# KiCad board panel.kicad_pcb (continued)
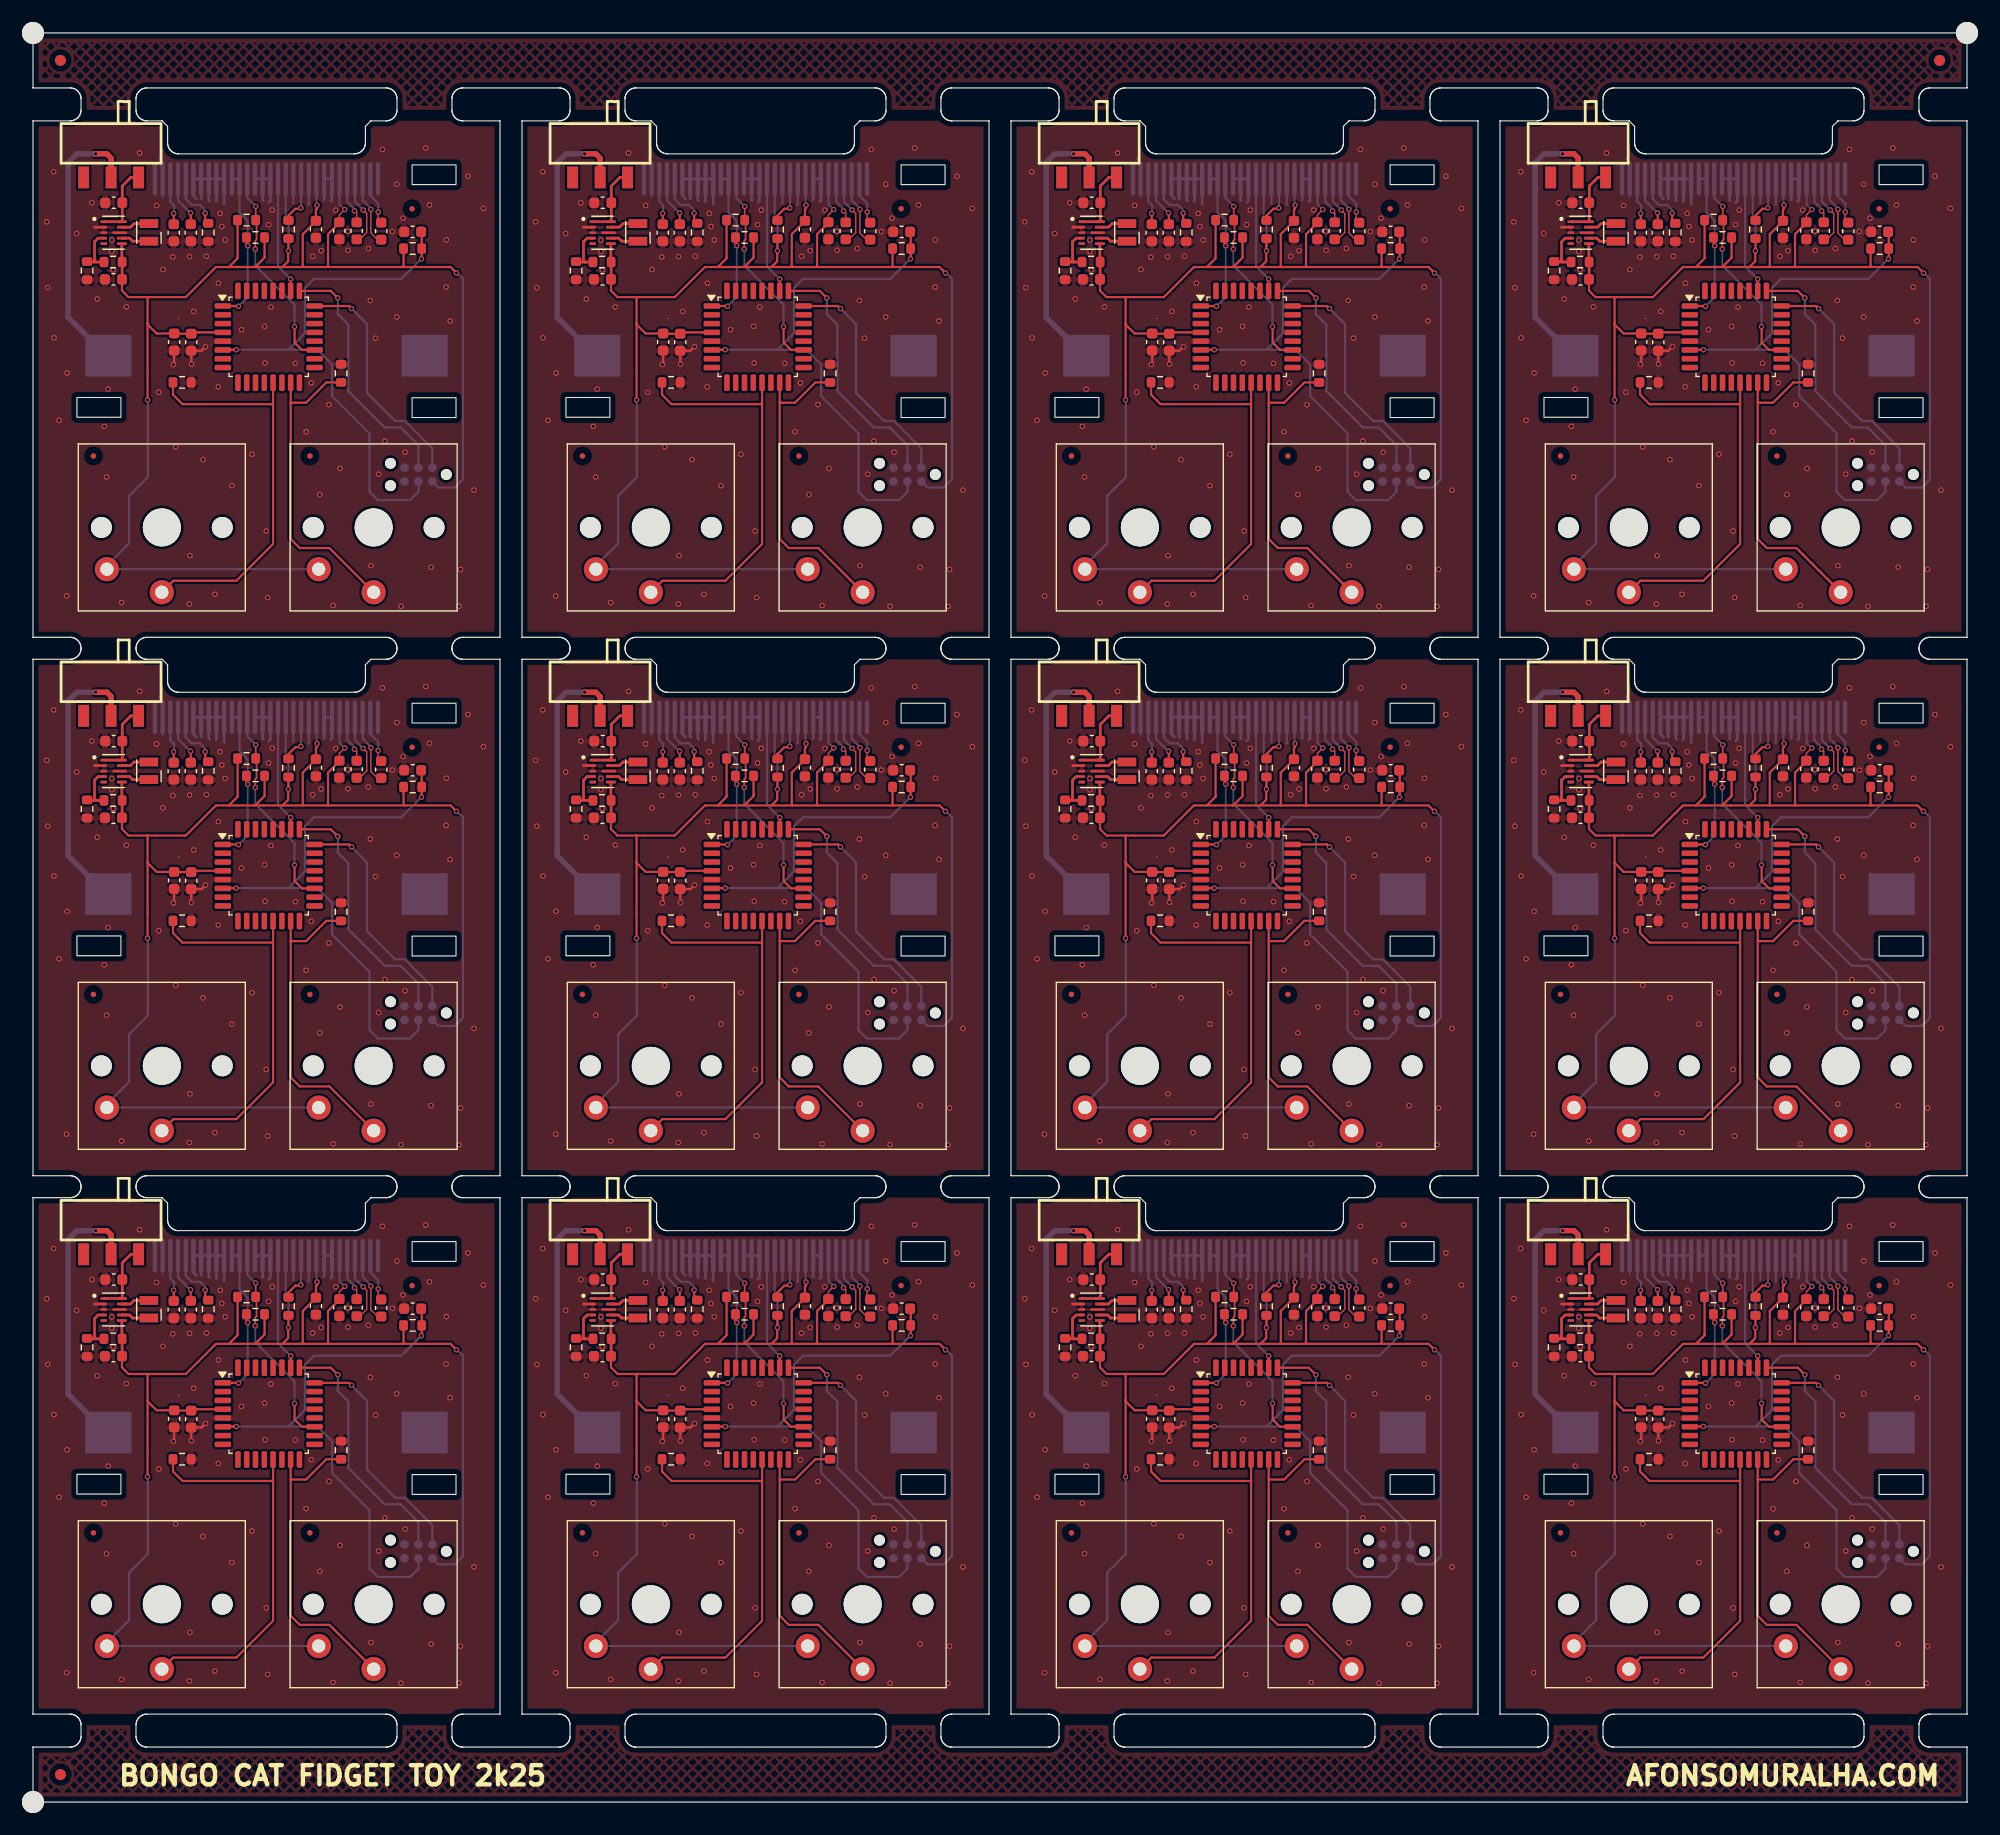
[diagram p0: board, top side]
## Routing (per net, layer and track width the routed paths; a pad name or vN(x,y) marks a point on that pad's centre or on a via; arc(x,y) is an arc through that point) (continued)
Board_2-/SWCLK: length 23.1
  Top w0.2: U1#7.25 116.1,137.53 v1(116.74,136.89)
  Bottom w0.2: J4#11.4 124.07,123.49 122.46,125.1 121.01,125.1 117.7,128.41 117.7,134.45 116.74,135.41 v1(116.74,136.89)
Board_2-/SWDIO: length 21.5
  Top w0.127: 114.48,136.17 114.47,136.16
  Top w0.2: U1#7.24 117.76,136.15 v1(117.99,135.92)
  Bottom w0.2: J4#11.2 125.34,123.19 122.84,125.69 121.96,125.69 119.4,128.25 119.4,134.51 v1(117.99,135.92)
Board_2-/UART_TX: length 0.1
  Top w0.127: 109.25,137.71 109.26,137.72 109.26,137.81
Board_2-GND: length 36.7
  Top w0.127: 102.25,135.02 102.28,135.02
  Top w0.2: v1(104.7,132.45) 104.33,132.08 C3#10.2 103.4,130.9 v1(103.43,130.88) ; v1(101.78,130.83) 101.85,130.9 C4#4.2
  Top w0.25: 94.6,143.33 U101#8.2 ; 95.5,138.39 95.58,138.31
  Bottom w0.127: 100.45,149.6 100.8,149.25 100.8,146 ; 117.51,141.22 117.6,141.31
  Bottom w0.2: J1#3.10 114.1,145.38 114.07,145.35 ; 112.68,145.5 112.7,145.53 J1#3.12
  Bottom w0.25: J1#3.17 J1#3.16 ; J1#3.16 J1#3.15 110.6,145.73 110.45,145.58 ; J1#3.16 109.9,145.8 109.95,145.75 ; J1#3.24 J1#3.25 103.6,146.2 103.88,145.93 ; J1#3.24 J1#3.23 ; J1#3.24 104.3,145.95 104.35,145.9 ; J1#3.23 J1#3.22 ; J1#3.23 105,145.8 105.07,145.73 ; J1#3.22 105.7,145.73 105.65,145.68 ; J1#3.22 J1#3.21 106.4,145.43 ; 116.1,145.68 116.2,145.78 J1#3.7 J1#3.8 115.5,145.83 115.47,145.8
  vias: v1(90.25,143.81) v1(90.35,137.82) v1(90.88,148.38) v1(90.92,133.26) v1(91.38,125.74) v1(92.11,130.06) v1(92.06,109.78) v1(92.97,142.75) v1(94.35,145.55) v1(94.85,136.8) v1(95.49,125.2) v1(95.7,120.6) v1(95.85,128.58) v1(96.18,142.15) v1(96.18,141.13) v1(96.3,139.43) v1(97.07,109.16) v1(97.5,136.08) v1(98.7,150.08) v1(100.25,145.3) v1(100.45,128.3) v1(100.82,139.48) v1(101.72,140.6) v1(101.99,123.33) v1(103.23,109.02) v1(103.25,140.65) v1(103.29,113.44) v1(103.62,135.65) v1(104.47,122.18) v1(104.78,140.68) v1(105.56,109.92) v1(105.88,138.23) v1(105.86,128.81) v1(106.04,144.58) v1(106.19,143.38) v1(106.49,142.16) v1(107.1,119.8) v1(107.97,134) v1(108.92,122.66) v1(110.07,134.3) v1(110.12,130.98) v1(110.22,115.67) v1(110.35,109.62) v1(110.44,143.56) v1(110.65,136.05) v1(110.77,144.89) v1(112.89,130.94) v1(113.85,124.7) v1(114.32,129.15) v1(114.45,140.68) v1(115.1,119) v1(115.22,141.19) v1(115.93,127.18) v1(116.32,108.89) v1(116.55,144.88) v1(116.94,121.36) v1(117.65,142.95) v1(117.68,141.22) v1(119.52,141.39) v1(119.7,136.65) v1(119.75,112.52) v1(120.18,133.23) v1(120.46,120.85) v1(120.8,150.4) v1(121.02,123.86) v1(121.7,142.93) v1(122.11,147.24) v1(122.1,135.16) v1(122.49,108.82) v1(122.68,144.15) v1(122.87,122.84) v1(124.74,150.52) v1(125.08,145.35) v1(125.23,112.38) v1(126.62,142.18) v1(126.6,137.88) v1(126.95,134.79) v1(127.77,108.82) v1(127.91,112.18) v1(128.58,147.97) v1(129.12,119.4) v1(129.99,145.04)
Board_2-Net-(BT1-+): length 25.3
  Top w0.5: SW5#8.2 96.11,149.62 95.72,150 v1(94.7,150)
  Bottom w0.5: BT1#5.1 95.69,131.63 92.2,135.12 92.2,149.2 93,150 v1(94.7,150)
Board_2-Net-(J1-Pin_2): length 4.3
  Top w0.127: 120.4,143.73 120.4,144.68 v1(120.42,144.7)
  Bottom w0.2: J1#3.2 119.7,146.2 120.42,145.48 v1(120.42,144.7)
Board_2-Net-(J1-Pin_3): length 6.4
  Top w0.127: C9#10.1 120.35,142.19 119.75,142.79 v1(119.75,144.95)
  Bottom w0.2: J1#3.3 119,145.79 119.75,145.04 v1(119.75,144.95)
Board_2-Net-(J1-Pin_4): length 6.5
  Top w0.127: v1(119.05,144.89) 119.37,144.57 119.37,142.84 118.75,142.22 C8#7.2
  Bottom w0.2: v1(119.05,144.89) 119.05,144.9 118.3,145.65 J1#3.4
Board_2-Net-(J1-Pin_5): length 4.3
  Top w0.127: v1(118.26,144.81) 118.46,144.61 C8#7.1
  Bottom w0.2: J1#3.5 117.6,145.65 118.26,144.99 v1(118.26,144.81)
Board_2-Net-(J1-Pin_26): length 5
  Top w0.15: 104.67,143.9 104.65,143.88
  Top w0.2: v1(104.67,144.6) 104.67,143.9
  Bottom w0.2: J1#3.26 102.9,145.9 103.45,145.35 104.2,145.35 104.67,144.88 v1(104.67,144.6)
Board_2-Net-(J1-Pin_27): length 4.6
  Top w0.15: 103.36,144.61 v1(103.34,144.63)
  Top w0.2: C12#6.2 103.36,144.61
  Bottom w0.2: J1#3.27 102.2,145.75 103.32,144.63 v1(103.34,144.63)
Board_2-Net-(J1-Pin_28): length 4.3
  Top w0.15: 101.81,144.57 v1(101.8,144.58)
  Top w0.2: C13#8.2 101.81,144.57
  Bottom w0.2: v1(101.8,144.58) 101.85,144.63 101.85,145.3 101.5,145.65 J1#3.28
Board_2-Net-(SW5-A): length 6.7
  Top w0.25: SW5#8.3 97.9,147.85 97.12,147.08 C1.1 97.12,143.86 U101#8.10 U101#8.1
Board_2-Net-(U101-FB): length 4.4
  Top w0.25: R6#11.2 94.72,140.16 ; 94.72,140.16 94.6,140.28 94.6,142 94.93,142.33 U101#8.4 ; 94.72,140.16 93.97,140.16 R4#11.1
Board_2-Net-(U101-L1): length 2.6
  Top w0.25: U101#8.9 97.88,143.33 98.2,143.65 L102#7.1
Board_2-Net-(U101-L2): length 2.6
  Top w0.25: L102#7.2 98.07,142.05 98.07,142.05 97.8,142.33 U101#8.7
Board_2-unconnected-(U1-PC14-Pad2): length 0
  Top w0.127: 106.25,135.33 106.28,135.35
Board_3-3V3: length 148.5
  Top w0.127: 167.54,141.38 167.25,141.09 ; v1(161.87,144.93) 161.38,144.44 C10#12.2 161.38,143.54
  Top w0.2: 158.1,139.7 158.05,139.75 158.05,142.69 159.25,143.89 C11#7.2 159.25,144.92 159.35,145.02 v1(159.35,145.33) ; 158.1,139.7 160.4,139.7 ; 158.1,139.7 156.2,139.7 ; 167.22,141.38 167.22,139.73 167.25,139.7 ; v1(172.04,139.16) 171.5,139.7 167.25,139.7 ; 167.25,139.7 160.4,139.7 ; 143.93,134.58 v1(143.93,127.6) ; 143.93,134.58 143.93,134.48 144.75,133.65 C4#6.1 146.37,133.63 C3#7.1 148.02,133.75 150.78,133.75 ; 143.93,134.58 143.93,136.96 ; 160.4,139.7 160.35,139.75 160.35,142.69 161.29,143.63 161.38,143.54 ; 143.93,136.96 147.41,136.96 150.15,139.7 151.32,139.7 ; 143.93,136.96 142.19,136.96 141.6,137.55 C2#7.1 ; 151.32,139.7 152.12,140.49 R13#11.2 ; 151.32,139.7 153.72,139.7 ; R101#6.2 v1(156.75,141.18) 156.72,141.15 156.72,140.23 156.2,139.7 ; 156.2,139.7 153.72,139.7 ; 153.72,139.7 154.57,140.55 R12#5.2
  Top w0.25: 141.57,138.58 C2#7.1 141.62,138.59 141.62,140.16 141.59,140.18 U101#2.6
  Bottom w0.2: J1#8.13 156.5,144.2 156.75,143.95 v1(156.75,141.18) ; J1#8.9 159.3,145.38 v1(159.35,145.33) ; v1(143.93,127.6) 143.95,127.58 143.95,120.58 142.25,118.88 142.25,114.55 140.22,112.53 SW1#10.2 SW2#8.2 ; v1(161.87,144.93) 161.4,145.4 J1#8.6 ; J4#8.1 170.4,119.63 171.88,119.63 172.62,120.38 172.62,138.64 172.08,139.18 172.08,139.21
Board_3-/BS1: length 4.5
  Top w0.2: R101#6.1 156.75,144.38 157.38,145 157.8,145 v1(157.88,145.08)
  Bottom w0.2: J1#8.11 157.9,145.45 157.88,145.43 v1(157.88,145.08)
Board_3-/OLED_RST: length 10.7
  Top w0.2: v1(156.95,138.6) U1#9.26
  Bottom w0.2: J1#8.14 155.8,139.75 v1(156.95,138.6)
Board_3-/RST: length 50
  Top w0.127: 168.62,141.32 168.56,141.38
  Top w0.2: 150.78,132.15 150.8,132.18 v1(152,132.18) ; v1(168.85,140.45) 168.88,140.48 R8#7.2 168.88,142.85 168.82,142.9
  Bottom w0.2: 156.75,132.18 159.38,132.18 160.73,130.82 160.73,127.95 164.12,124.56 164.12,119.25 164.88,118.49 167.81,118.49 168.57,119.25 J4#8.3 ; 156.75,132.18 v1(152,132.18) ; 156.75,132.18 158.25,133.68 158.25,137.8 159.07,138.63 167.03,138.63 v1(168.85,140.45)
Board_3-/SCL: length 19.1
  Top w0.127: v1(153.73,141.33) 153.65,141.41
  Top w0.152: v1(153.73,141.33) 153.73,142.09 153.84,142.21 153.84,143.98 153.77,144.06 v1(153.77,145.22)
  Top w0.2: U1#9.19 157.98,132.15 157.31,132.82 157.31,134.31
  Bottom w0.15: 153.7,141.45 153.72,141.43
  Bottom w0.2: v1(153.73,141.33) 153.73,139.85 157.3,136.28 v1(157.3,134.28) ; J1#8.18 153,145.99 v1(153.77,145.22)
Board_3-/SDA: length 15.6
  Top w0.127: 150.78,136.15 150.71,136.09 ; 153.05,142.56 153.14,142.65
  Top w0.152: v1(153.04,141.64) 152.93,141.76 R12#5.1
  Top w0.2: 150.78,136.15 152.23,136.15 152.31,136.07
  Bottom w0.127: 153.02,141.63 153,141.65
  Bottom w0.2: J1#8.19 152.3,144.65 153.04,143.91 v1(153.04,141.64) 153.04,136.97 v1(152.2,136.13)
  Bottom w0.25: J1#8.20 J1#8.19
Board_3-/SW1: length 37.3
  Top w0.127: 146.53,129.17 146.56,129.2
  Top w0.2: 155.35,127.25 155.35,114.49 152.01,111.15 146.28,111.15 SW1#10.1 ; 155.35,127.25 U1#9.13 ; 155.35,127.25 155.32,127.22 147.1,127.22 146.24,128.08 R1#12.1
Board_3-/SW2: length 29.1
  Top w0.2: SW2#8.1 160.47,114.13 157.78,114.13 156.95,114.95 156.95,127.35 ; 156.95,127.35 158.35,127.35 160.19,129.2 R2#5.1 ; 156.95,127.35 U1#9.15
Board_3-/SWCLK: length 23.1
  Top w0.2: U1#9.25 160.6,137.53 v1(161.24,136.89)
  Bottom w0.2: J4#8.4 168.57,123.49 166.96,125.1 165.51,125.1 162.2,128.41 162.2,134.45 161.24,135.41 v1(161.24,136.89)
Board_3-/SWDIO: length 21.5
  Top w0.127: 158.98,136.17 158.97,136.16
  Top w0.2: v1(162.49,135.92) 162.26,136.15 U1#9.24
  Bottom w0.2: J4#8.2 169.84,123.19 167.34,125.69 166.46,125.69 163.9,128.25 163.9,134.51 v1(162.49,135.92)
Board_3-/UART_TX: length 0.1
  Top w0.127: 153.76,137.81 153.76,137.72 153.75,137.71
Board_3-GND: length 36.7
  Top w0.127: 146.75,135.02 146.78,135.02
  Top w0.2: v1(149.2,132.45) 148.83,132.08 C3#7.2 147.9,130.9 v1(147.93,130.88) ; C4#6.2 146.35,130.9 v1(146.28,130.83)
  Top w0.25: 140,138.39 140.08,138.31 ; 139.1,143.33 U101#2.2
  Bottom w0.127: 162.01,141.22 162.1,141.31 ; 144.95,149.6 145.3,149.25 145.3,146
  Bottom w0.2: J1#8.12 157.2,145.53 157.18,145.5 ; J1#8.10 158.6,145.38 158.57,145.35
  Bottom w0.25: J1#8.24 J1#8.23 ; J1#8.24 148.8,145.95 148.85,145.9 ; J1#8.24 J1#8.25 148.1,146.2 148.38,145.93 ; J1#8.23 J1#8.22 ; J1#8.23 149.5,145.8 149.57,145.73 ; 159.97,145.8 160,145.83 J1#8.8 J1#8.7 160.7,145.78 160.6,145.68 ; J1#8.16 154.4,145.8 154.45,145.75 ; J1#8.16 J1#8.15 155.1,145.73 154.95,145.58 ; J1#8.16 J1#8.17 ; 150.9,145.43 J1#8.21 J1#8.22 ; J1#8.22 150.2,145.73 150.15,145.68
  vias: v1(134.75,143.81) v1(134.85,137.82) v1(135.38,148.38) v1(135.42,133.26) v1(135.88,125.74) v1(136.61,130.06) v1(136.56,109.78) v1(137.47,142.75) v1(138.85,145.55) v1(139.35,136.8) v1(139.99,125.2) v1(140.2,120.6) v1(140.35,128.58) v1(140.68,142.15) v1(140.68,141.13) v1(140.8,139.43) v1(141.57,109.16) v1(142,136.08) v1(143.2,150.08) v1(144.75,145.3) v1(144.95,128.3) v1(145.32,139.48) v1(146.22,140.6) v1(146.49,123.33) v1(147.75,140.65) v1(147.73,109.02) v1(147.79,113.44) v1(148.12,135.65) v1(148.97,122.18) v1(149.28,140.68) v1(150.06,109.92) v1(150.38,138.23) v1(150.36,128.81) v1(150.54,144.58) v1(150.69,143.38) v1(150.99,142.16) v1(151.6,119.8) v1(152.47,134) v1(153.42,122.66) v1(154.57,134.3) v1(154.62,130.98) v1(154.72,115.67) v1(154.85,109.62) v1(154.94,143.56) v1(155.15,136.05) v1(155.27,144.89) v1(157.39,130.94) v1(158.35,124.7) v1(158.82,129.15) v1(158.95,140.68) v1(159.6,119) v1(159.72,141.19) v1(160.43,127.18) v1(160.82,108.89) v1(161.05,144.88) v1(161.44,121.36) v1(162.15,142.95) v1(162.18,141.22) v1(164.02,141.39) v1(164.2,136.65) v1(164.25,112.52) v1(164.68,133.23) v1(164.96,120.85) v1(165.3,150.4) v1(165.52,123.86) v1(166.2,142.93) v1(166.61,147.24) v1(166.6,135.16) v1(166.99,108.82) v1(167.18,144.15) v1(167.37,122.84) v1(169.24,150.52) v1(169.58,145.35) v1(169.73,112.38) v1(171.12,142.18) v1(171.1,137.88) v1(171.45,134.79) v1(172.27,108.82) v1(172.41,112.18) v1(173.08,147.97) v1(173.62,119.4) v1(174.49,145.04)
Board_3-Net-(BT1-+): length 25.3
  Top w0.5: SW5#4.2 140.61,149.62 140.22,150 v1(139.2,150)
  Bottom w0.5: BT1#2.1 140.19,131.63 136.7,135.12 136.7,149.2 137.5,150 v1(139.2,150)
Board_3-Net-(J1-Pin_2): length 4.3
  Top w0.127: 164.9,143.73 164.9,144.68 v1(164.92,144.7)
  Bottom w0.2: v1(164.92,144.7) 164.92,145.48 164.2,146.2 J1#8.2
Board_3-Net-(J1-Pin_3): length 6.4
  Top w0.127: v1(164.25,144.95) 164.25,142.79 164.85,142.19 C9#5.1
  Bottom w0.2: J1#8.3 163.5,145.79 164.25,145.04 v1(164.25,144.95)
Board_3-Net-(J1-Pin_4): length 6.5
  Top w0.127: v1(163.55,144.89) 163.87,144.57 163.87,142.84 163.25,142.22 C8#5.2
  Bottom w0.2: J1#8.4 162.8,145.65 163.55,144.9 v1(163.55,144.89)
Board_3-Net-(J1-Pin_5): length 4.3
  Top w0.127: C8#5.1 162.96,144.61 v1(162.76,144.81)
  Bottom w0.2: J1#8.5 162.1,145.65 162.76,144.99 v1(162.76,144.81)
Board_3-Net-(J1-Pin_26): length 5
  Top w0.15: 149.17,143.9 149.15,143.88
  Top w0.2: v1(149.17,144.6) 149.17,143.9
  Bottom w0.2: v1(149.17,144.6) 149.17,144.88 148.7,145.35 147.95,145.35 147.4,145.9 J1#8.26
Board_3-Net-(J1-Pin_27): length 4.6
  Top w0.15: 147.86,144.61 v1(147.84,144.63)
  Top w0.2: C12#10.2 147.86,144.61
  Bottom w0.2: J1#8.27 146.7,145.75 147.82,144.63 v1(147.84,144.63)
Board_3-Net-(J1-Pin_28): length 4.3
  Top w0.15: 146.31,144.57 v1(146.3,144.58)
  Top w0.2: C13#12.2 146.31,144.57
  Bottom w0.2: J1#8.28 146,145.65 146.35,145.3 146.35,144.63 v1(146.3,144.58)
Board_3-Net-(SW5-A): length 6.7
  Top w0.25: U101#2.1 U101#2.10 141.62,143.86 C1#7.1 141.62,147.08 142.4,147.85 SW5#4.3
Board_3-Net-(U101-FB): length 4.4
  Top w0.25: 139.22,140.16 138.47,140.16 R4#2.1 ; 139.22,140.16 R6#7.2 ; 139.22,140.16 139.1,140.28 139.1,142 139.43,142.33 U101#2.4
Board_3-Net-(U101-L1): length 2.6
  Top w0.25: L102#2.1 142.7,143.65 142.38,143.33 U101#2.9
Board_3-Net-(U101-L2): length 2.6
  Top w0.25: U101#2.7 142.3,142.33 142.57,142.05 142.57,142.05 L102#2.2
Board_3-unconnected-(U1-PC14-Pad2): length 0
  Top w0.127: 150.75,135.33 150.78,135.35
Board_4-3V3: length 148.5
  Top w0.127: 27.88,94.54 C10#8.2 27.88,95.44 v1(28.37,95.93) ; 34.04,92.38 33.75,92.09
  Top w0.2: 17.83,90.7 18.61,91.49 R13#12.2 ; 17.83,90.7 16.65,90.7 13.91,87.96 10.42,87.96 ; 17.83,90.7 20.22,90.7 ; v1(10.42,78.6) 10.42,85.58 ; 27.88,94.54 27.79,94.63 26.85,93.69 26.85,90.75 26.9,90.7 ; R101#11.2 v1(23.25,92.18) 23.22,92.15 23.22,91.23 22.7,90.7 ; C2#10.1 8.1,88.55 8.69,87.96 10.42,87.96 ; 26.9,90.7 24.6,90.7 ; 26.9,90.7 33.75,90.7 ; 24.6,90.7 24.55,90.75 24.55,93.69 25.75,94.89 C11.2 25.75,95.92 25.85,96.02 v1(25.85,96.33) ; 24.6,90.7 22.7,90.7 ; 33.75,90.7 33.72,90.73 R8#11.1 ; 33.75,90.7 38,90.7 v1(38.54,90.16) ; 22.7,90.7 20.22,90.7 ; 10.42,87.96 10.42,85.58 ; 10.42,85.58 10.42,85.48 11.25,84.65 C4.1 12.87,84.63 C3#9.1 14.52,84.75 U1#6.4 ; 20.22,90.7 21.08,91.55 R12#3.2
  Top w0.25: 8.08,89.58 C2#10.1 8.11,89.59 R6#3.1 8.09,91.18 U101#6.6
  Bottom w0.2: v1(28.37,95.93) 27.9,96.4 J1#6.6 ; SW2#3.2 SW1#5.2 6.72,63.53 8.75,65.55 8.75,69.88 10.45,71.58 10.45,78.58 v1(10.42,78.6) ; J1#6.13 23,95.2 23.25,94.95 v1(23.25,92.18) ; J1#6.9 25.8,96.38 v1(25.85,96.33) ; J4#10.1 36.89,70.63 38.38,70.63 39.12,71.38 39.12,89.64 38.58,90.18 38.58,90.21
Board_4-/BS1: length 4.5
  Top w0.2: R101#11.1 23.25,95.38 23.88,96 24.3,96 v1(24.38,96.08)
  Bottom w0.2: J1#6.11 24.4,96.45 24.38,96.43 v1(24.38,96.08)
Board_4-/OLED_RST: length 10.7
  Top w0.2: v1(23.45,89.6) U1#6.26
  Bottom w0.2: v1(23.45,89.6) 22.3,90.75 J1#6.14
Board_4-/RST: length 50
  Top w0.127: 35.12,92.32 35.06,92.38
  Top w0.2: U1#6.6 17.3,83.18 v1(18.5,83.18) ; v1(35.35,91.45) 35.38,91.48 R8#11.2 35.38,93.85 C5#3.1
  Bottom w0.2: 23.25,83.18 25.88,83.18 27.23,81.82 27.23,78.95 30.62,75.56 30.62,70.25 31.39,69.49 34.31,69.49 35.08,70.25 J4#10.3 ; 23.25,83.18 24.75,84.68 24.75,88.8 25.58,89.63 33.53,89.63 v1(35.35,91.45) ; 23.25,83.18 v1(18.5,83.18)
Board_4-/SCL: length 19.1
  Top w0.127: v1(20.23,92.33) 20.15,92.41
  Top w0.152: v1(20.23,92.33) 20.23,93.09 20.34,93.21 20.34,94.98 20.27,95.06 v1(20.27,96.22)
  Top w0.2: 23.81,85.31 23.81,83.82 24.48,83.15 U1#6.19
  Bottom w0.15: 20.2,92.45 20.22,92.43
  Bottom w0.2: v1(23.8,85.28) 23.8,87.28 20.23,90.85 v1(20.23,92.33) ; v1(20.27,96.22) 19.5,96.99 J1#6.18
Board_4-/SDA: length 15.6
  Top w0.127: U1#6.1 17.21,87.09 ; 19.55,93.56 19.64,93.65
  Top w0.152: R12#3.1 19.42,92.76 v1(19.54,92.64)
  Top w0.2: 18.81,87.07 18.73,87.15 U1#6.1
  Bottom w0.127: 19.52,92.63 19.5,92.65
  Bottom w0.2: v1(18.7,87.13) 19.54,87.97 v1(19.54,92.64) 19.54,94.91 18.8,95.65 J1#6.19
  Bottom w0.25: J1#6.20 J1#6.19
Board_4-/SW1: length 37.3
  Top w0.127: 13.03,80.17 13.06,80.2
  Top w0.2: 21.85,78.25 21.85,65.49 18.51,62.15 12.78,62.15 SW1#5.1 ; 21.85,78.25 U1#6.13 ; 21.85,78.25 21.82,78.22 13.61,78.22 12.74,79.08 R1#6.1
Board_4-/SW2: length 29.1
  Top w0.2: 23.45,78.35 23.45,65.95 24.28,65.13 26.97,65.13 SW2#3.1 ; 23.45,78.35 U1#6.15 ; 23.45,78.35 24.85,78.35 26.69,80.2 R2#6.1
Board_4-/SWCLK: length 23.1
  Top w0.2: v1(27.74,87.89) 27.11,88.53 U1#6.25
  Bottom w0.2: v1(27.74,87.89) 27.74,86.41 28.7,85.45 28.7,79.41 32.01,76.1 33.46,76.1 35.08,74.49 J4#10.4
Board_4-/SWDIO: length 21.5
  Top w0.127: 25.48,87.17 25.47,87.16
  Top w0.2: v1(28.99,86.92) 28.76,87.15 U1#6.24
  Bottom w0.2: J4#10.2 36.34,74.19 33.84,76.69 32.96,76.69 30.4,79.25 30.4,85.51 v1(28.99,86.92)
Board_4-/UART_TX: length 0.1
  Top w0.127: 20.25,88.71 20.26,88.72 20.26,88.81
Board_4-GND: length 36.7
  Top w0.127: 13.25,86.02 13.28,86.02
  Top w0.2: v1(15.7,83.45) 15.33,83.08 C3#9.2 14.4,81.9 v1(14.42,81.88) ; C4.2 12.85,81.9 v1(12.78,81.83)
  Top w0.25: 5.6,94.33 U101#6.2 ; 6.5,89.39 6.58,89.31
  Bottom w0.127: 28.51,92.22 28.6,92.31 ; 11.8,97 11.8,100.25 11.45,100.6
  Bottom w0.2: 23.67,96.5 23.7,96.53 J1#6.12 ; 25.08,96.35 25.1,96.38 J1#6.10
  Bottom w0.25: 20.95,96.75 20.9,96.8 J1#6.16 ; J1#6.22 16.7,96.73 16.65,96.68 ; J1#6.22 J1#6.23 ; J1#6.22 J1#6.21 17.4,96.43 ; J1#6.16 J1#6.17 ; J1#6.16 J1#6.15 21.6,96.73 21.45,96.58 ; J1#6.24 J1#6.25 14.6,97.2 14.88,96.93 ; J1#6.24 15.3,96.95 15.35,96.9 ; J1#6.24 J1#6.23 ; J1#6.23 16,96.8 16.08,96.73 ; 26.47,96.8 26.5,96.83 J1#6.8 J1#6.7 27.2,96.78 27.1,96.68
  vias: v1(1.25,94.81) v1(1.35,88.82) v1(1.88,99.38) v1(1.92,84.26) v1(2.38,76.74) v1(3.11,81.06) v1(3.06,60.78) v1(3.97,93.75) v1(5.35,96.55) v1(5.85,87.8) v1(6.49,76.2) v1(6.7,71.6) v1(6.85,79.58) v1(7.17,93.15) v1(7.17,92.13) v1(7.3,90.43) v1(8.07,60.16) v1(8.5,87.08) v1(9.7,101.08) v1(11.25,96.3) v1(11.45,79.3) v1(11.83,90.48) v1(12.72,91.6) v1(12.99,74.33) v1(14.23,60.02) v1(14.25,91.65) v1(14.29,64.44) v1(14.62,86.65) v1(15.47,73.18) v1(15.78,91.68) v1(16.56,60.92) v1(16.88,89.23) v1(16.86,79.81) v1(17.04,95.58) v1(17.19,94.38) v1(17.49,93.16) v1(18.1,70.8) v1(18.97,85) v1(19.92,73.66) v1(21.08,85.3) v1(21.12,81.98) v1(21.22,66.67) v1(21.35,60.62) v1(21.44,94.56) v1(21.65,87.05) v1(21.77,95.89) v1(23.89,81.94) v1(24.85,75.7) v1(25.33,80.15) v1(25.45,91.68) v1(26.1,70) v1(26.22,92.19) v1(26.92,78.18) v1(27.32,59.89) v1(27.55,95.88) v1(27.94,72.36) v1(28.65,93.95) v1(28.68,92.22) v1(30.52,92.39) v1(30.7,87.65) v1(30.75,63.52) v1(31.17,84.23) v1(31.46,71.85) v1(31.8,101.4) v1(32.02,74.86) v1(32.7,93.93) v1(33.11,98.24) v1(33.1,86.16) v1(33.49,59.82) v1(33.67,95.15) v1(33.87,73.84) v1(35.74,101.52) v1(36.08,96.35) v1(36.23,63.38) v1(37.62,93.18) v1(37.6,88.88) v1(37.95,85.79) v1(38.77,59.82) v1(38.91,63.18) v1(39.58,98.97) v1(40.12,70.4) v1(40.99,96.04)
Board_4-Net-(BT1-+): length 25.3
  Top w0.5: SW5#6.2 7.11,100.62 6.72,101 v1(5.7,101)
  Bottom w0.5: BT1#10.1 6.69,82.63 3.2,86.12 3.2,100.2 4,101 v1(5.7,101)
Board_4-Net-(J1-Pin_2): length 4.3
  Top w0.127: v1(31.42,95.7) 31.4,95.68 31.4,94.73
  Bottom w0.2: v1(31.42,95.7) 31.42,96.48 30.7,97.2 J1#6.2
Board_4-Net-(J1-Pin_3): length 6.4
  Top w0.127: C9#3.1 31.36,93.19 30.75,93.79 v1(30.75,95.95)
  Bottom w0.2: J1#6.3 30,96.79 30.75,96.04 v1(30.75,95.95)
Board_4-Net-(J1-Pin_4): length 6.5
  Top w0.127: C8#4.2 29.75,93.22 30.37,93.84 30.37,95.57 v1(30.05,95.89)
  Bottom w0.2: J1#6.4 29.3,96.65 30.05,95.9 v1(30.05,95.89)
Board_4-Net-(J1-Pin_5): length 4.3
  Top w0.127: v1(29.26,95.81) 29.46,95.61 C8#4.1
  Bottom w0.2: v1(29.26,95.81) 29.26,95.99 28.6,96.65 J1#6.5
Board_4-Net-(J1-Pin_26): length 5
  Top w0.15: 15.67,94.9 15.65,94.88
  Top w0.2: v1(15.67,95.6) 15.67,94.9
  Bottom w0.2: J1#6.26 13.9,96.9 14.45,96.35 15.2,96.35 15.67,95.88 v1(15.67,95.6)
Board_4-Net-(J1-Pin_27): length 4.6
  Top w0.15: 14.36,95.61 v1(14.34,95.63)
  Top w0.2: C12#8.2 14.36,95.61
  Bottom w0.2: v1(14.34,95.63) 14.32,95.63 13.2,96.75 J1#6.27
Board_4-Net-(J1-Pin_28): length 4.3
  Top w0.15: 12.81,95.57 v1(12.8,95.58)
  Top w0.2: C13#7.2 12.81,95.57
  Bottom w0.2: v1(12.8,95.58) 12.85,95.63 12.85,96.3 12.5,96.65 J1#6.28
Board_4-Net-(SW5-A): length 6.7
  Top w0.25: U101#6.1 U101#6.10 8.12,94.86 C1#8.1 8.12,98.08 8.9,98.85 SW5#6.3
Board_4-Net-(U101-FB): length 4.4
  Top w0.25: R4#9.1 4.97,91.16 5.72,91.16 ; 5.72,91.16 R6#3.2 ; 5.72,91.16 5.6,91.28 5.6,93 5.92,93.33 U101#6.4
Board_4-Net-(U101-L1): length 2.6
  Top w0.25: L102#5.1 9.2,94.65 8.88,94.33 U101#6.9
Board_4-Net-(U101-L2): length 2.6
  Top w0.25: U101#6.7 8.8,93.33 9.08,93.05 9.07,93.05 L102#5.2
Board_4-unconnected-(U1-PC14-Pad2): length 0
  Top w0.127: 17.25,86.33 U1#6.2
Board_5-3V3: length 148.5
  Top w0.127: v1(72.87,95.93) 72.38,95.44 C10#6.2 72.38,94.54 ; 78.54,92.38 78.25,92.09
  Top w0.2: 54.92,87.96 54.92,85.58 ; 54.92,87.96 58.41,87.96 61.15,90.7 62.33,90.7 ; 54.92,87.96 53.19,87.96 52.6,88.55 C2#2.1 ; 54.92,85.58 54.92,85.48 55.75,84.65 C4#7.1 57.37,84.63 C3.1 59.02,84.75 U1#2.4 ; 54.92,85.58 v1(54.92,78.6) ; R12#2.2 65.58,91.55 64.72,90.7 ; 71.4,90.7 71.35,90.75 71.35,93.69 72.29,94.63 72.38,94.54 ; 71.4,90.7 78.25,90.7 ; 71.4,90.7 69.1,90.7 ; 64.72,90.7 67.2,90.7 ; 64.72,90.7 62.33,90.7 ; 67.2,90.7 67.72,91.23 67.72,92.15 v1(67.75,92.18) R101#3.2 ; 67.2,90.7 69.1,90.7 ; 78.25,90.7 78.22,90.73 78.22,92.38 ; 78.25,90.7 82.5,90.7 v1(83.04,90.16) ; 62.33,90.7 63.11,91.49 R13#5.2 ; 69.1,90.7 69.05,90.75 69.05,93.69 70.25,94.89 C11#2.2 70.25,95.92 70.35,96.02 v1(70.35,96.33)
  Top w0.25: U101#10.6 52.59,91.18 R6#6.1 52.61,89.59 C2#2.1 52.58,89.58
  Bottom w0.2: v1(54.92,78.6) 54.95,78.58 54.95,71.58 53.25,69.88 53.25,65.55 51.22,63.53 SW1.2 SW2#12.2 ; v1(70.35,96.33) 70.3,96.38 J1#9.9 ; v1(67.75,92.18) 67.75,94.95 67.5,95.2 J1#9.13 ; v1(72.87,95.93) 72.4,96.4 J1#9.6 ; 83.08,90.21 83.08,90.18 83.62,89.64 83.62,71.38 82.88,70.63 81.4,70.63 J4#3.1
Board_5-/BS1: length 4.5
  Top w0.2: R101#3.1 67.75,95.38 68.38,96 68.8,96 v1(68.88,96.08)
  Bottom w0.2: J1#9.11 68.9,96.45 68.88,96.43 v1(68.88,96.08)
Board_5-/OLED_RST: length 10.7
  Top w0.2: v1(67.95,89.6) U1#2.26
  Bottom w0.2: J1#9.14 66.8,90.75 v1(67.95,89.6)
Board_5-/RST: length 50
  Top w0.127: 79.62,92.32 79.56,92.38
  Top w0.2: v1(63,83.18) 61.8,83.18 U1#2.6 ; v1(79.85,91.45) 79.88,91.48 R8#10.2 79.88,93.85 79.82,93.9
  Bottom w0.2: 67.75,83.18 70.38,83.18 71.73,81.82 71.73,78.95 75.12,75.56 75.12,70.25 75.88,69.49 78.81,69.49 79.57,70.25 J4#3.3 ; 67.75,83.18 v1(63,83.18) ; 67.75,83.18 69.25,84.68 69.25,88.8 70.07,89.63 78.03,89.63 v1(79.85,91.45)
Board_5-/SCL: length 19.1
  Top w0.127: v1(64.73,92.33) 64.65,92.41
  Top w0.152: v1(64.73,92.33) 64.73,93.09 64.84,93.21 64.84,94.98 64.77,95.06 v1(64.77,96.22)
  Top w0.2: U1#2.19 68.98,83.15 68.31,83.82 68.31,85.31
  Bottom w0.15: 64.7,92.45 64.72,92.43
  Bottom w0.2: v1(68.3,85.28) 68.3,87.28 64.73,90.85 v1(64.73,92.33) ; v1(64.77,96.22) 64,96.99 J1#9.18
Board_5-/SDA: length 15.6
  Top w0.127: 64.05,93.56 64.14,93.65 ; U1#2.1 61.71,87.09
  Top w0.152: v1(64.04,92.64) 63.92,92.76 R12#2.1
  Top w0.2: U1#2.1 63.23,87.15 63.31,87.07
  Bottom w0.127: 64.02,92.63 64,92.65
  Bottom w0.2: J1#9.19 63.3,95.65 64.04,94.91 v1(64.04,92.64) 64.04,87.97 v1(63.2,87.13)
  Bottom w0.25: J1#9.20 J1#9.19
Board_5-/SW1: length 37.3
  Top w0.127: 57.53,80.17 57.56,80.2
  Top w0.2: SW1.1 57.28,62.15 63.01,62.15 66.35,65.49 66.35,78.25 ; 66.35,78.25 66.32,78.22 58.11,78.22 57.24,79.08 R1#7.1 ; 66.35,78.25 U1#2.13
Board_5-/SW2: length 29.1
  Top w0.2: 67.95,78.35 69.35,78.35 71.19,80.2 R2#11.1 ; 67.95,78.35 67.95,65.95 68.78,65.13 71.47,65.13 SW2#12.1 ; 67.95,78.35 U1#2.15
Board_5-/SWCLK: length 23.1
  Top w0.2: U1#2.25 71.6,88.53 v1(72.24,87.89)
  Bottom w0.2: J4#3.4 79.57,74.49 77.96,76.1 76.51,76.1 73.2,79.41 73.2,85.45 72.24,86.41 v1(72.24,87.89)
Board_5-/SWDIO: length 21.5
  Top w0.127: 69.98,87.17 69.97,87.16
  Top w0.2: v1(73.49,86.92) 73.26,87.15 U1#2.24
  Bottom w0.2: J4#3.2 80.84,74.19 78.34,76.69 77.46,76.69 74.9,79.25 74.9,85.51 v1(73.49,86.92)
Board_5-/UART_TX: length 0.1
  Top w0.127: 64.76,88.81 64.76,88.72 64.75,88.71
Board_5-GND: length 36.7
  Top w0.127: 57.75,86.02 57.78,86.02
  Top w0.2: v1(58.92,81.88) 58.9,81.9 C3.2 59.83,83.08 v1(60.2,83.45) ; v1(57.28,81.83) 57.35,81.9 C4#7.2
  Top w0.25: 50.1,94.33 U101#10.2 ; 51,89.39 51.08,89.31
  Bottom w0.127: 56.3,97 56.3,100.25 55.95,100.6 ; 73.01,92.22 73.1,92.31
  Bottom w0.2: J1#9.12 68.2,96.53 68.18,96.5 ; 69.57,96.35 69.6,96.38 J1#9.10
  Bottom w0.25: J1#9.16 J1#9.15 66.1,96.73 65.95,96.58 ; J1#9.16 65.4,96.8 65.45,96.75 ; J1#9.16 J1#9.17 ; 70.97,96.8 71,96.83 J1#9.8 J1#9.7 71.7,96.78 71.6,96.68 ; 61.9,96.43 J1#9.21 J1#9.22 ; J1#9.22 61.2,96.73 61.15,96.68 ; J1#9.22 J1#9.23 ; 60.58,96.73 60.5,96.8 J1#9.23 ; J1#9.23 J1#9.24 ; 59.38,96.93 59.1,97.2 J1#9.25 J1#9.24 ; 59.85,96.9 59.8,96.95 J1#9.24
  vias: v1(45.75,94.81) v1(45.85,88.82) v1(46.38,99.38) v1(46.42,84.26) v1(46.88,76.74) v1(47.61,81.06) v1(47.56,60.78) v1(48.47,93.75) v1(49.85,96.55) v1(50.35,87.8) v1(50.99,76.2) v1(51.2,71.6) v1(51.35,79.58) v1(51.67,93.15) v1(51.67,92.13) v1(51.8,90.43) v1(52.57,60.16) v1(53,87.08) v1(54.2,101.08) v1(55.75,96.3) v1(55.95,79.3) v1(56.33,90.48) v1(57.22,91.6) v1(57.49,74.33) v1(58.75,91.65) v1(58.73,60.02) v1(58.79,64.44) v1(59.12,86.65) v1(59.97,73.18) v1(60.28,91.68) v1(61.06,60.92) v1(61.38,89.23) v1(61.36,79.81) v1(61.54,95.58) v1(61.69,94.38) v1(61.99,93.16) v1(62.6,70.8) v1(63.47,85) v1(64.42,73.66) v1(65.58,85.3) v1(65.62,81.98) v1(65.72,66.67) v1(65.85,60.62) v1(65.94,94.56) v1(66.15,87.05) v1(66.27,95.89) v1(68.39,81.94) v1(69.35,75.7) v1(69.82,80.15) v1(69.95,91.68) v1(70.6,70) v1(70.72,92.19) v1(71.43,78.18) v1(71.82,59.89) v1(72.05,95.88) v1(72.44,72.36) v1(73.15,93.95) v1(73.18,92.22) v1(75.02,92.39) v1(75.2,87.65) v1(75.25,63.52) v1(75.68,84.23) v1(75.96,71.85) v1(76.3,101.4) v1(76.52,74.86) v1(77.2,93.93) v1(77.61,98.24) v1(77.6,86.16) v1(77.99,59.82) v1(78.18,95.15) v1(78.37,73.84) v1(80.24,101.52) v1(80.58,96.35) v1(80.73,63.38) v1(82.12,93.18) v1(82.1,88.88) v1(82.45,85.79) v1(83.27,59.82) v1(83.41,63.18) v1(84.08,98.97) v1(84.62,70.4) v1(85.49,96.04)
